# Altium PCB HAE_PCB.PcbDoc
Units mil, origin at the board's own origin, x right, y up, seen from the top; angles counter-clockwise.
Board outline 3391.1 x 1988.66 mil, 4 copper layers (Top Layer, Int1 (GND), Int2 (PWR), Bottom Layer), stack 43.712 mil thick; 61 components, 47 nets, 250 pads, 238 vias.
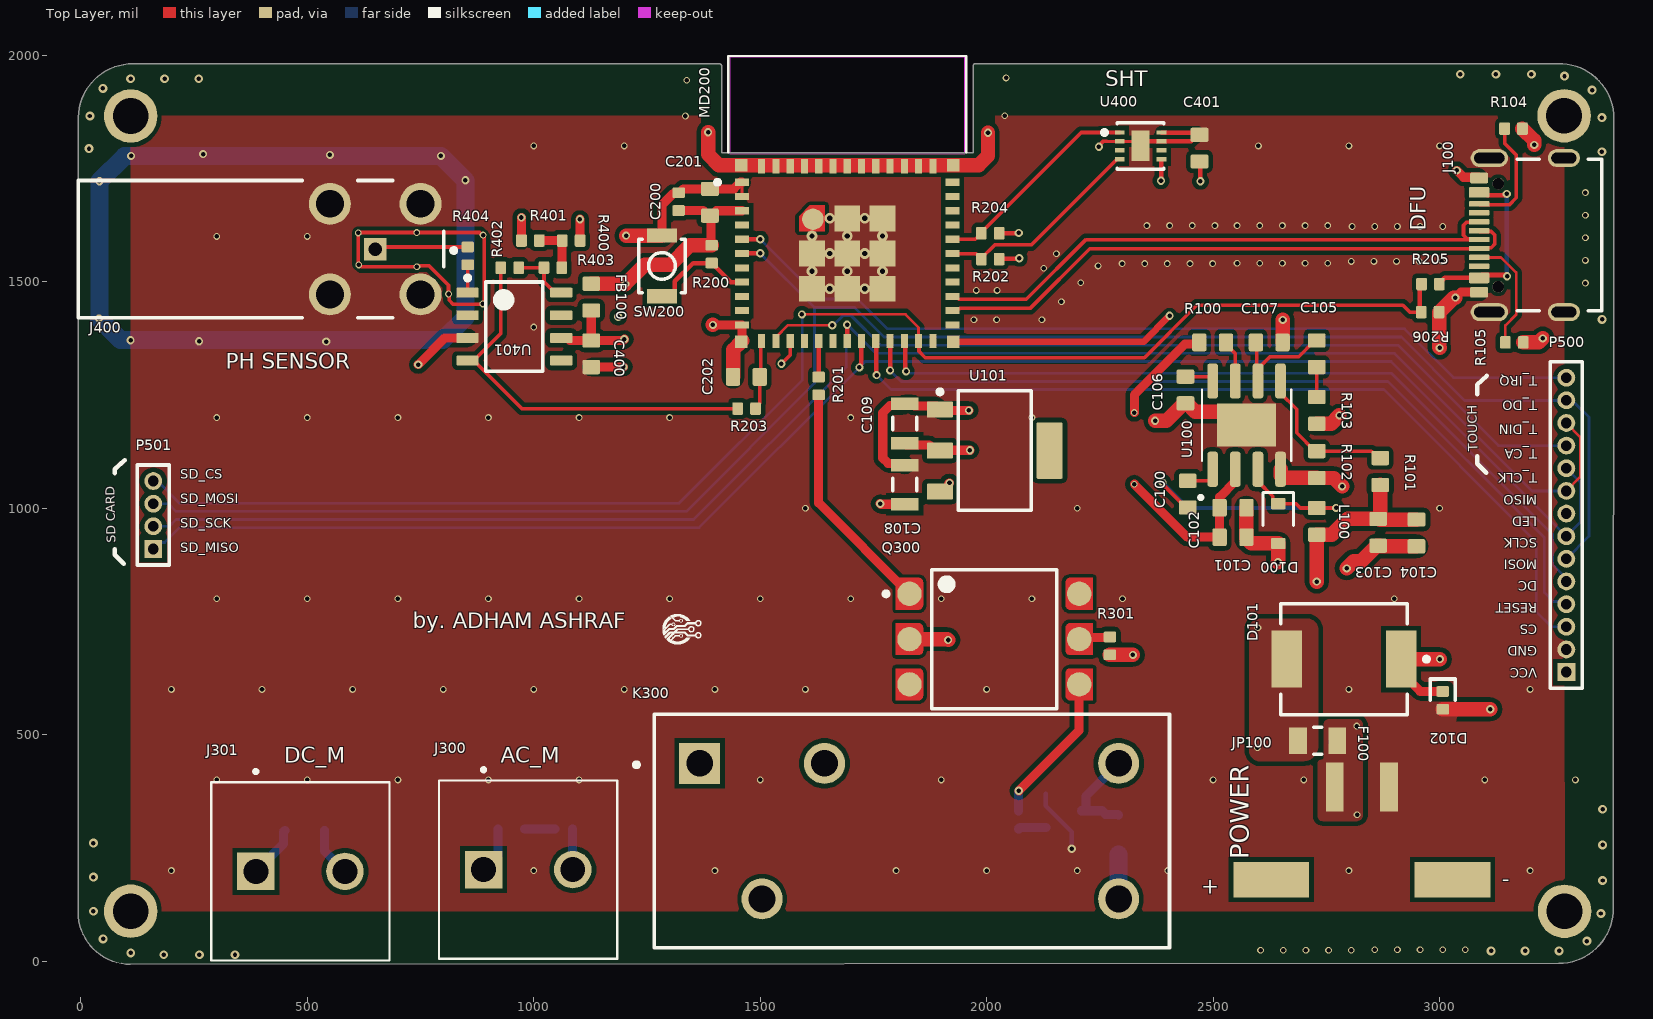
[diagram p0: Top Layer view]
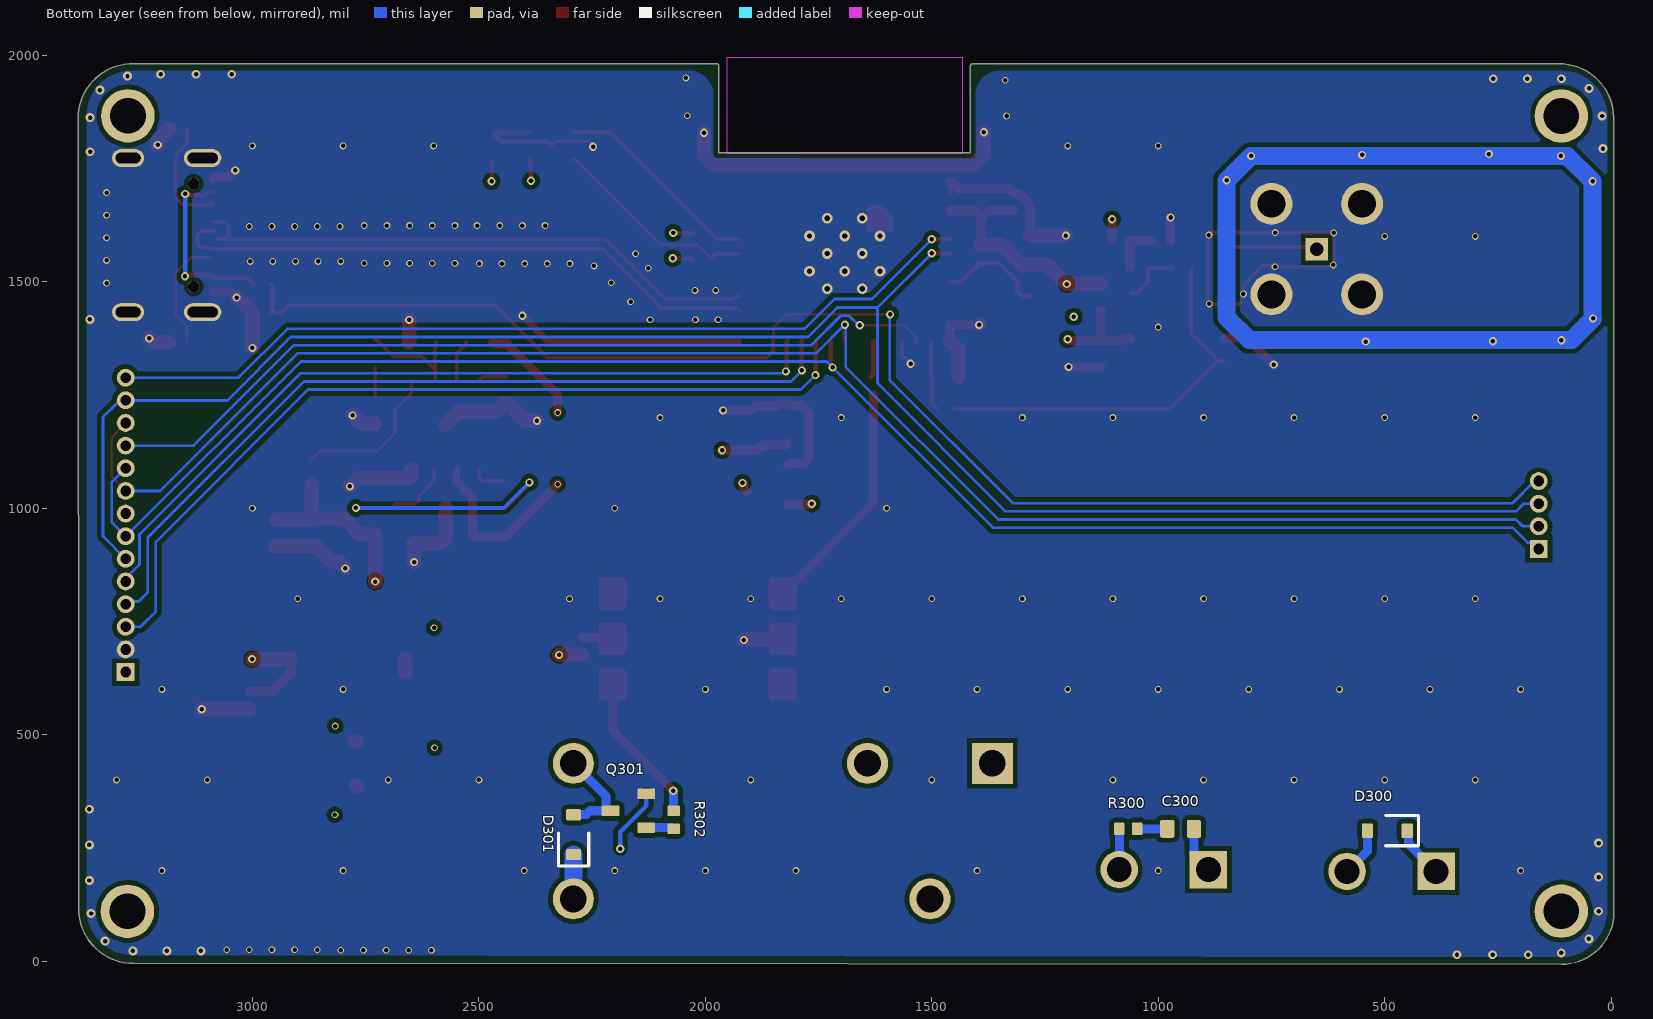
[diagram p1: Bottom Layer view, seen from below]
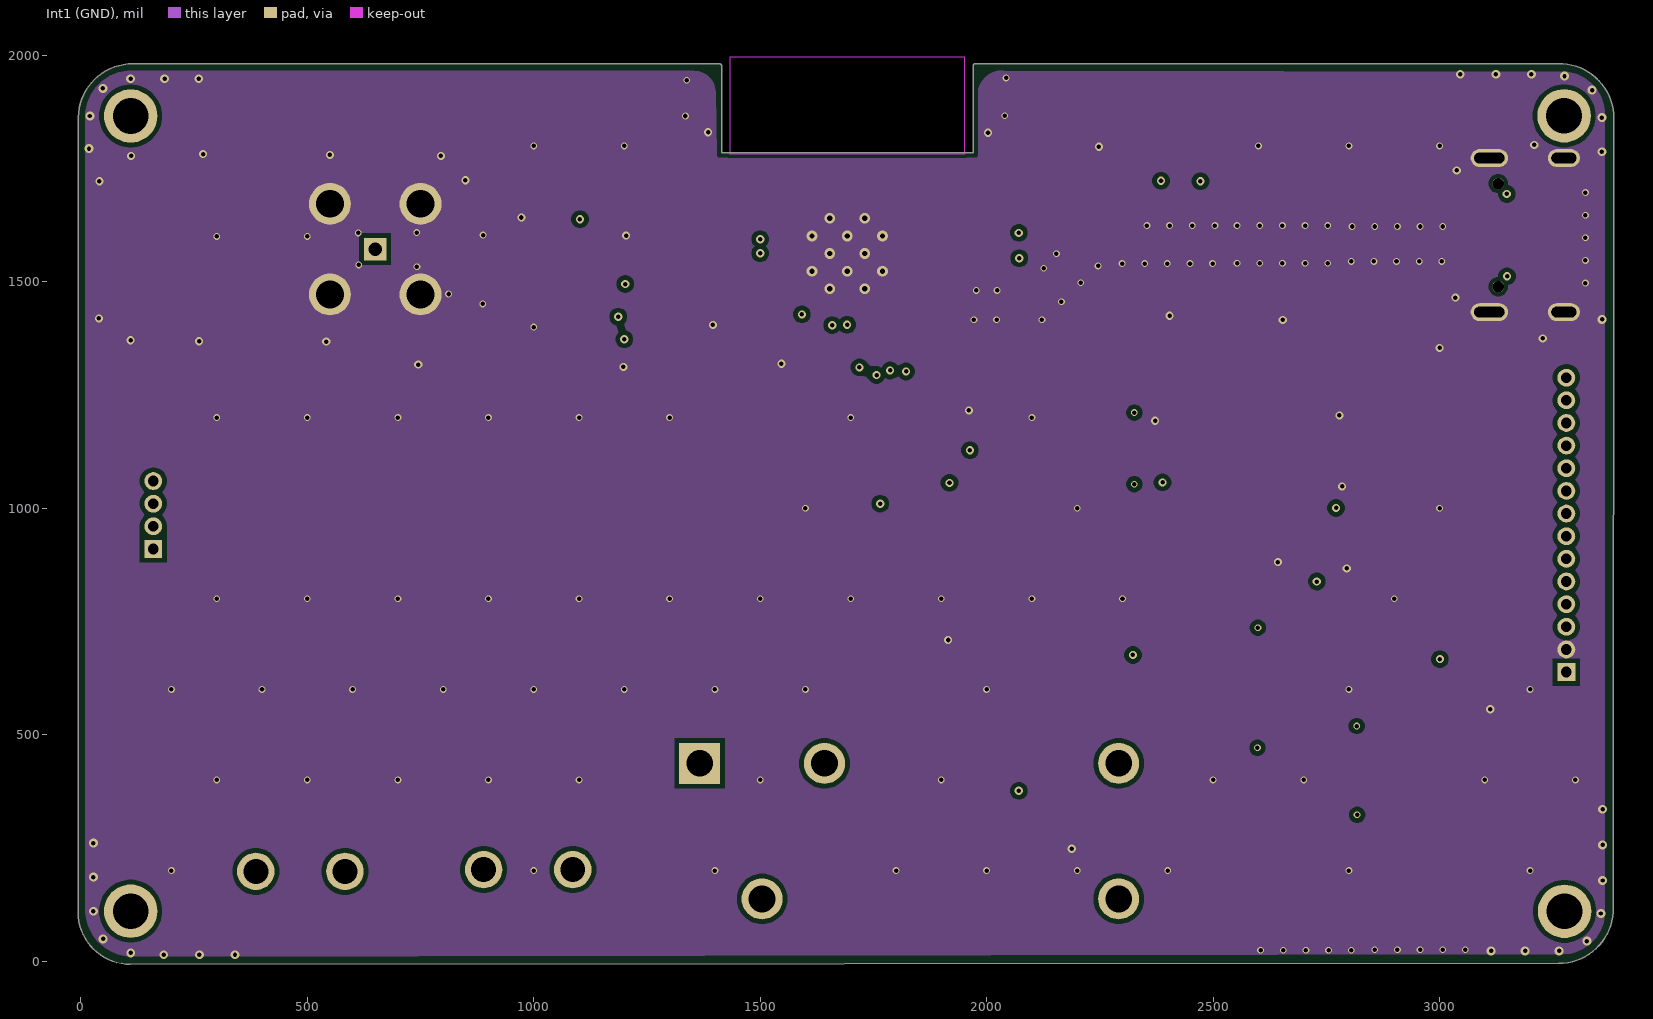
[diagram p2: Int1 (GND)]
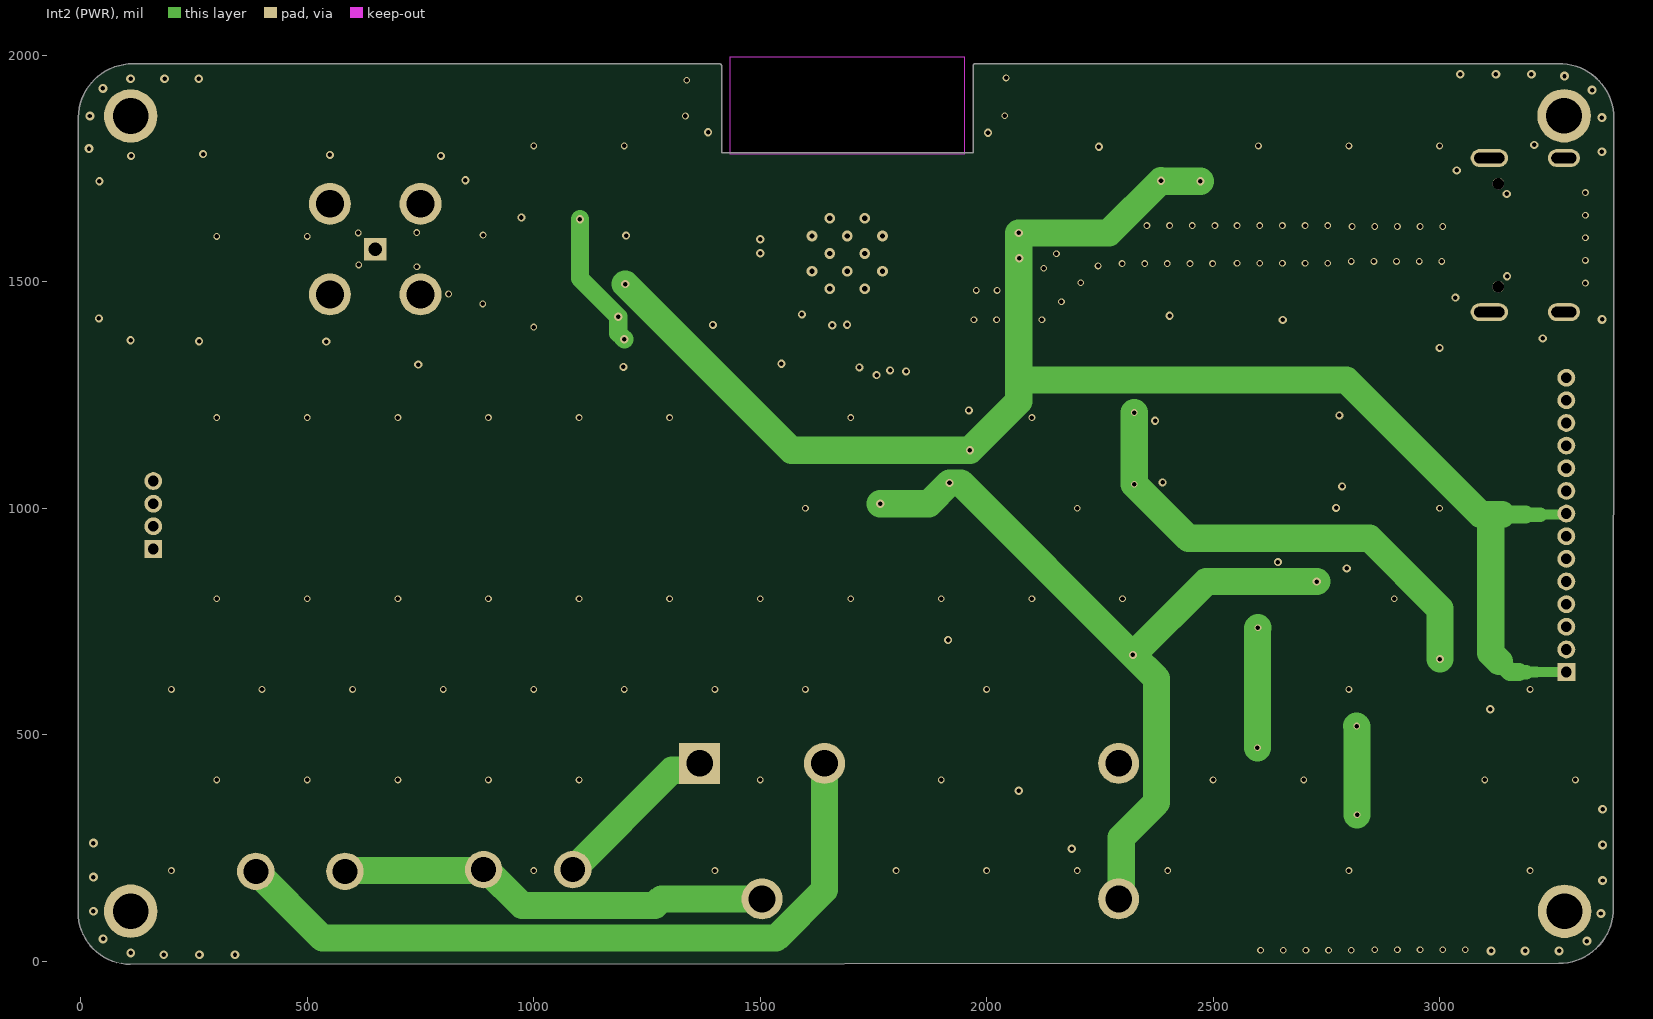
[diagram p3: Int2 (PWR)]
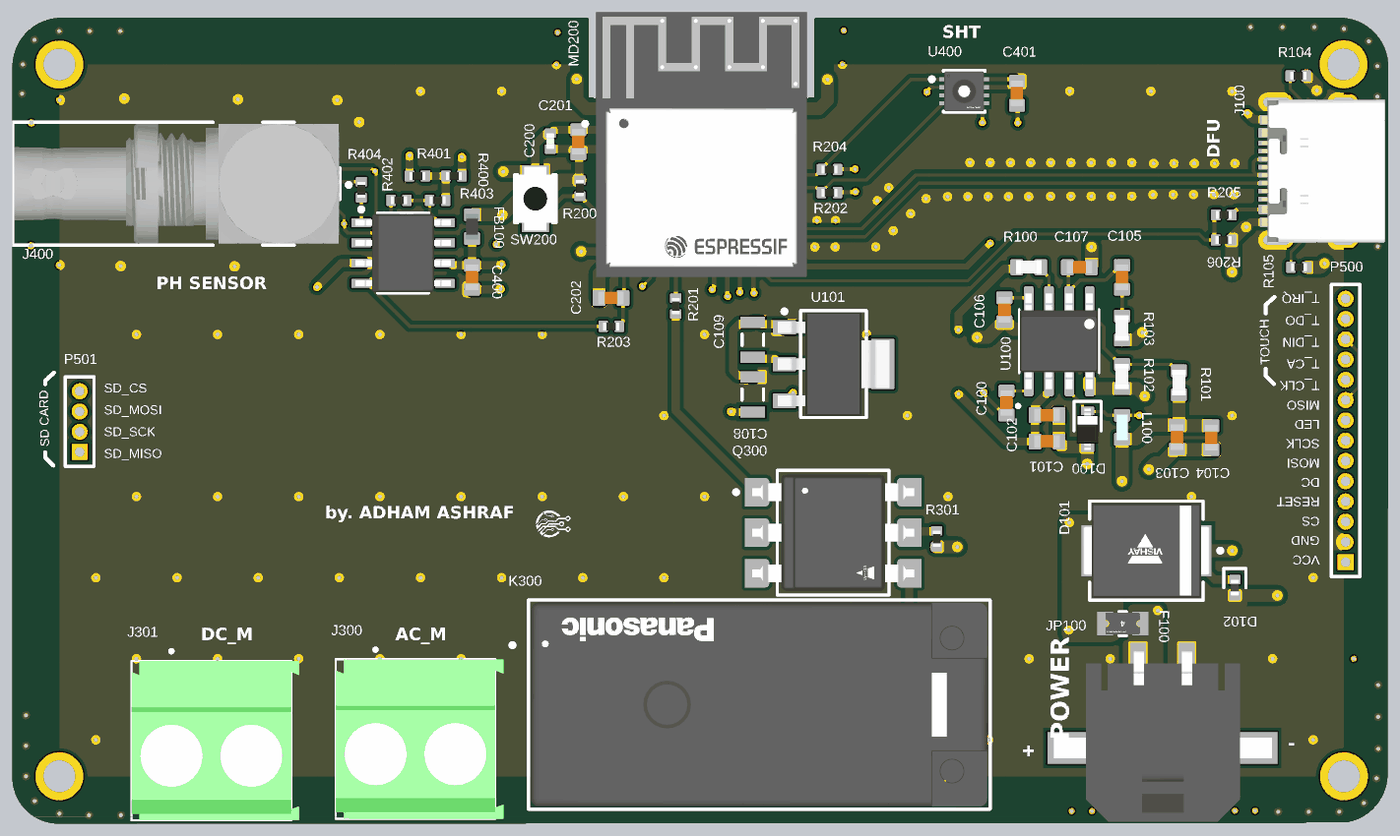
[diagram p4: 3D render of the assembled board from above, using the file's embedded part models]
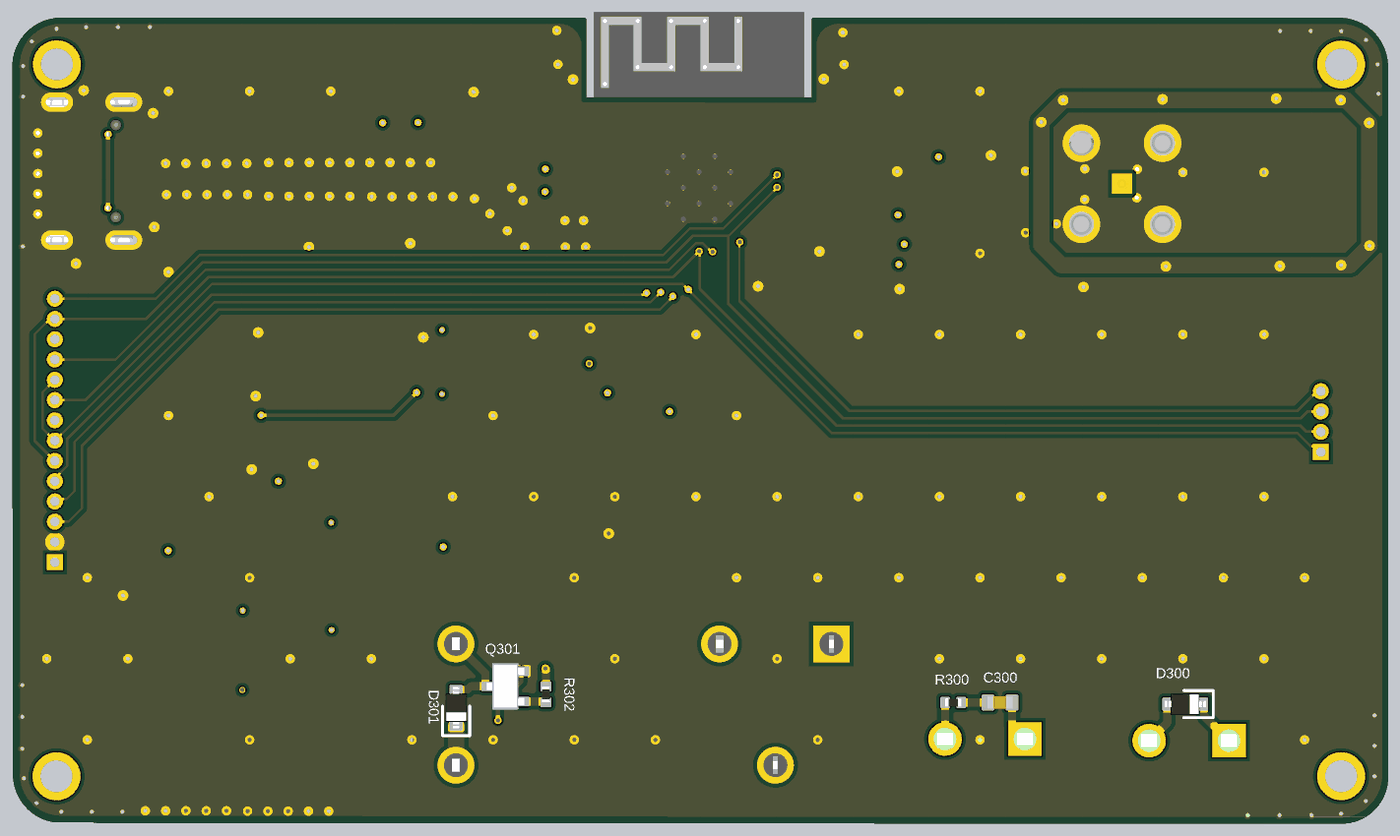
[diagram p5: 3D render of the assembled board from below, using the file's embedded part models]

## Layer stack, top to bottom
Top Solder: solder mask 1, SM-001, Dk 4
Top Layer: signal copper 1.378
Dielectric 1: prepreg 5.1, FR4, Dk 4.3
Int1 (GND): signal copper 1.378
Dielectric 3: core 28, FR4, Dk 4.8
Int2 (PWR): signal copper 1.378
Dielectric 5: prepreg 5.1, FR4, Dk 4.3
Bottom Layer: signal copper 1.378
Bottom Solder: solder mask 1, SM-001, Dk 4

## Board outline
-6.08,108 -6.09,1860.72 -5.66,1862.74 cw(c114.99,1860.72) 114.99,1981.38 1410,1981.23 cw(c1410,1976.22) 1415.01,1976.22 1415.01,1785.01 1969.99,1785.01 1969.99,1976.38 cw(c1975,1976.38) 1975,1981.39 3262.9,1981.39 3264.4,1981.62 cw(c3264.4,1861.1) 3271.95,1981.38 cw(c3264.4,1861) 3385.02,1861 3384.98,1860.37 3383.88,110 3383.37,107.79 cw(c3263,115.6) 3263.51,-5.01 3263,-5.04 108.96,-7.04 cw(c108.96,108)

## Design rules (kind name [scope] priority, off if disabled: settings)
Clearance [All] p1: gap=7.87 ignorepadtopadclearanceinfootprint=FALSE except(0.78: Arc-Via Track-Via SMDPad-Via THPad-Via; 5: Via-Via; 8: Arc-Fill Arc-Region Track-Fill Track-Region SMDPad-Fill SMDPad-Region THPad-Fill THPad-Region Via-Fill Via-Region Fill-Fill Fill-Region Poly-Region Region-Region; 10: Arc-Poly Track-Poly SMDPad-THPad SMDPad-Poly SMDPad-Text THPad-Poly Via-Poly Fill-Poly Poly-Poly; 12: Arc-Arc Arc-Track Track-Track)
DiffPairsRouting [All] p1: maxlimit=15 minlimit=8 mostfreqgap=10 toplayer_prefgap=14 toplayer_minwidth=6 toplayer_maxwidth=10 toplayer_prefwidth=8 midlayer1_minwidth=6 midlayer1_maxwidth=10 midlayer1_prefwidth=8 midlayer2_minwidth=6 midlayer2_maxwidth=10 midlayer2_prefwidth=8 bottomlayer_minwidth=6 bottomlayer_maxwidth=10 bottomlayer_prefwidth=8 maxuncoupledlength=500
MinimumSolderMaskSliver [All] p1: minsoldermaskwidth=7
PlaneConnect [All] p1: planeconnectstyle=Direct reliefexpansion=20 reliefentries=4 reliefconductorwidth=10 reliefairgap=10
PolygonConnect [All] p1: connectstyle=Direct reliefconductorwidth=10 reliefentries=4 polygonreliefangle="90 Angle" airgapwidth=10
RoutingVias [All] p1: holewidth=17 width=10 viastyle="Through Hole" minholewidth=10 minwidth=6 maxholewidth=28 maxwidth=50
SilkToSilkClearance [All] p1: silktosilkclearance=7
SilkToSolderMaskClearance [IsPad] p1: minsilkscreentomaskgap=7 clearancetoexposedcopper=TRUE
SolderMaskExpansion [All] p1: expansion=4 istentingtop=FALSE
SupplyNets "Schematic Supply Nets_9" [InNet('GND')] p1: voltage=0.000
SupplyNets "Schematic Supply Nets_8" [InNet('+3V3')] p2: voltage=0.000
SupplyNets "Schematic Supply Nets_4" [InNet('+5V')] p3: voltage=0.000
SupplyNets "Schematic Supply Nets_3" [InNet('+1.65V')] p4: voltage=0.000
SupplyNets "Schematic Supply Nets_2" [InNet('+3V3A')] p5: voltage=0.000
SupplyNets "Schematic Supply Nets_1" [InNet('MP_IN')] p6: voltage=0.000
SupplyNets "Schematic Supply Nets" [InNet('VBUS')] p7: voltage=0.000
Width [All] p1: maxlimit=60 minlimit=6 preferedwidth=32 toplayer_maxwidth=32 toplayer_prefwidth=8 midlayer1_minwidth=16 midlayer2_minwidth=22 bottomlayer_maxwidth=40 bottomlayer_prefwidth=8 minimp=50.000000 maximp=50.000000 favimp=50.000000
25 further rules are at their usual default settings.

## Classes and differential pairs
differential pair class USB: USB_D
component class HAE_Sensors: C400 C401 J400 R400 R401 R402 R403 R404 U400 U401
component class HAE_Power_Protection: C100 C101 C102 C103 C104 C105 C106 C107 C108 C109 D100 D101 D102 F100 FB100 J100 JP100 L100 R100 R101 R102 R103 R104 R105 U100 U101
component class HAE_MCU: C200 C201 C202 MD200 R200 R201 R202 R203 R204 R205 R206 SW200
component class HAE_HMI: P500 P501
component class HAE_Actuators: C300 D300 D301 J300 J301 K300 Q300 Q301 R300 R301 R302
differential pair USB_D: +USB_D_P -USB_D_N

## Components (designator, comment, footprint, x,y, rotation, side; value= is the part's Value field where it differs from the comment)
C100 "10nF" CAP_0603 2444,1031 r270 top
C101 "10uF" CAP_0603 2544,936 r180 top
C102 "10uF" CAP_0603 2544,1001 r180 top
C103 "22uF" CAP_0603 2864.5,946.81 r90 top
C104 "22uF" CAP_0603 2949,945.47 r90 top
C105 "3nF9" CAP_0603 2729,1341 r90 top
C106 "10uF" CAP_0603 2439,1261 r90 top
C107 "10uF" CAP_0603 2624,1366 r180 top
C108 "10uF" CAPC2014X60X15NL20 1819,1052 r270 top
C109 "10uF" CAPC2014X60X15NL20 1819,1187 r270 top
C200 "10uF" CAP_0402 1320,1677 r270 top
C201 "100nF" CAP_0603 1389,1675.47 r270 top
C202 "100nF" CAP_0603 1469.53,1290 r0 top
C300 "100nF" CAP_0603 950.66,292.03 r0 bottom
C400 "100nF" CAP_0603 1127,1341 r90 top
C401 "100nF" CAP_0603 2470,1795 r270 top
D100 "D_ZENER_SOD_323" SOD-323 2644,966 r90 top
D101 "SS34-E3/9AT" FP-SMC-MFG 2789,666.68 r180 top
D102 "D_TVS_0402" D_0402 3007,575.68 r90 top
D300 "D_SCHOTTKY_SOD_323" SOD-323 494.24,288.03 r180 bottom
D301 "D_SCHOTTKY_SOD_323" SOD-323 2291,279.1 r270 bottom
F100 "MF-PSMF020X-2" FP-MF-PSMF-MFG 2730.69,486.68 r180 top value=0.65-3.5Ω
FB100 "120R" FB_0603 1126.96,1466 r270 top
J100 "USB4105-GF-A-060" USB4105-GF-A-060 3181,1603 r90 top
J300 "282856-2" TE_282856-2 987.71,202.03 r0 top
J301 "282856-2" TE_282856-2 484.71,198.03 r0 top
J400 "034-1030-12G" FP-034-1030-12G-MFG 398.03,1572 r0 top
JP100 "MOLEX_MICROFIT_2_SMD_HORZ" MOLEX-MICROFIT-2-SMD-HORZ 2828.5,194.87 r0 top
K300 "JW1FSN-B-DC5V" FP-JW1FSN-B-DC5V-MFG 1834.87,286.97 r180 top
L100 "10uH" IND_0603 2729,971 r270 top
MD200 "ESP32-C3-MINI-1-N4" FP-ESP32-C3-MINI-1-N4-MFG 1692.24,1562.24 r0 top
P500 "MHDR1X14" MHDR1X14 3280,638.19 r90 top
P501 "MHDR1X4" MHDR1X4 160,910 r90 top
Q300 "4N25-X009T" FP-4N25-X009T-MFG 2017,711 r0 top
Q301 "2N7002NXAKR" SSM3J338R,LF-SOT23-F 2169.87,331.97 r90 bottom
R100 "100K" RES_0603 2499,1366 r180 top
R101 "26K1" RES_0603 2869,1081 r90 top
R102 "10K" RES_0603 2729,1096.47 r90 top
R103 "6K8" RES_0603 2729,1216 r90 top
R104 "5K1" RES_0402 3163.31,1838 r180 top
R105 "5K1" RES_0402 3165,1366 r180 top
R200 "10k" RES_0402 1393,1561 r90 top
R201 "220R" RES_0402 1629,1270 r270 top
R202 "4.7k" RES_0402 2008,1550 r0 top
R203 "100R" RES_0402 1470,1220 r180 top
R204 "4.7k" RES_0402 2008,1607 r0 top
R205 "100K" RES_0402 2980,1495 r180 top
R206 "100K" RES_0402 2979.31,1433 r0 top
R300 "100R" RES_0402 1066.13,292.03 r180 bottom
R301 "10k" RES_0402 2272,696 r270 top
R302 "100R" RES_0402 2069.87,311.97 r270 bottom
R400 "100K" RES_0402 1082.59,1591 r180 top
R401 "100K" RES_0402 992.59,1591 r180 top
R402 "100K" RES_0402 946.96,1531 r0 top
R403 "100K" RES_0402 1042.28,1531 r180 top
R404 "100R" RES_0402 854.28,1557 r90 top
SW200 "B3U-1000P" B3U_1000P 1283,1535 r270 top
U100 "MP2307DN-LF-Z" SOIC127P600X170-9N 2574,1183.44 r90 top
U101 "LM1117MP-3.3/NOPB" DCY0004A_L 2017.94,1127 r0 top
U400 "SHT30-DIS-B2.5KS" FP-SHT30-DIS-B2_5KS-MFG 2340,1800 r0 top
U401 "LMP7721MAX/NOPB" D0008A_L 957.28,1401 r0 top

## Footprints (in the part's own frame and the unit in brackets; to place one, negate y for a bottom-side part, rotate by r counter-clockwise, add the part's x,y. Pads: shape width x height; smd on the part's side, far side on the other; paste and mask are expansions set on the pad)
B3U_1000P [mm]
  rect 0.8x1.7 smd: 1(-1.7,0) 2(1.7,0)
  silkscreen extent -1.5,-1.3 1.5,1.3, body extent -2,-1.25 2,1.25, height 1.6
CAP_0402 [mm]
  rrect25% 0.6x0.7 smd: 1(-0.5,0) 2(0.5,0)
  body extent -0.5,-0.26 0.5,0.26, height 0.37
CAP_0603 [mm]
  rrect25% 0.8x1 smd: 1(-0.75,0) 2(0.75,0)
  body extent -0.8,-0.4 0.8,0.4, height 0.51
CAPC2014X60X15NL20 [mm] "Chip Capacitor, 2-Leads, Body 2.00x1.35mm, IPC Medium Density"
  rect 0.7x1.55 smd: 1(-1.1,0) 2(1.1,0)
  silkscreen extent -0.35,-0.67 0.35,0.67, body extent -1.1,-0.77 1.1,0.77, height 0.6
D0008A_L [mm] "SOIC, 8-Leads, Body 5x4mm, Pitch 1.27mm, IPC High Density"
  rrect18% 1.25x0.55 smd: 1(-2.625,1.905) 2(-2.625,0.635) 3(-2.625,-0.635) 4(-2.625,-1.905) 5(2.625,-1.905) 6(2.625,-0.635) 7(2.625,0.635) 8(2.625,1.905)
  silkscreen extent -2.75,-2.5 1.6,2.85, body extent -3,-2.45 3,2.45, height 1.63
D_0402 [mm]
  rrect25% 0.6x0.7 smd: A(-0.5,0) K(0.5,0)
  silkscreen extent 0,-0.7 1.2,0.7, body extent -0.5,-0.25 0.5,0.25, height 0.51
DCY0004A_L [mm] "SOT223, 4-Leads, Body 6.7x3.7mm, Pitch 2.3mm, IPC High Density"
  rrect11% 1.45x0.9 smd: 1(-3.075,2.3) 2(-3.075,0) 3(-3.075,-2.3)
  rrect7% 1.45x3.15 smd: 4(3.075,0)
  silkscreen extent -3.2,-3.35 2.05,3.42, body extent -3.5,-3.25 3.5,3.25, height 1.62
FB_0603 [mm]
  rrect25% 0.8x1 smd: 1(-0.75,0) 2(0.75,0)
  body extent -0.8,-0.4 0.8,0.4, height 0.81
FP-4N25-X009T-MFG [mm]
  round 1.368 smd paste+0 mask+0: 1(-4.76,2.54) 2(-4.76,0) 3(-4.76,-2.54) 4(4.76,-2.54) 5(4.76,0) 6(4.76,2.54)
  Top Layer region: -5.52,0.89 -4.25,0.89 -4.154,0.871 -4.073,0.817 -4.019,0.736 -4,0.64 -4,0.64 -4,-0.64 -4.019,-0.736 -4.073,-0.817 -4.154,-0.871 -4.25,-0.89 -4.25,-0.89 -5.52,-0.89
  Top Layer region: -5.52,3.43 -4.25,3.43 -4.154,3.411 -4.073,3.357 -4.019,3.276 -4,3.18 -4,3.18 -4,1.9 -4.033,1.775 -4.125,1.683 -4.25,1.65 -4.25,1.65 -5.52,1.65
  Top Layer region: -5.52,-1.65 -4.25,-1.65 -4.154,-1.669 -4.073,-1.723 -4.019,-1.804 -4,-1.9 -4,-1.9 -4,-3.18 -4.019,-3.276 -4.073,-3.357 -4.154,-3.411 -4.25,-3.43 -4.25,-3.43 -5.52,-3.43
  Top Layer region: 5.52,-3.43 4.25,-3.43 4.154,-3.411 4.073,-3.357 4.019,-3.276 4,-3.18 4,-3.18 4,-1.9 4.019,-1.804 4.073,-1.723 4.154,-1.669 4.25,-1.65 4.25,-1.65 5.52,-1.65
  Top Layer region: 5.52,-0.89 4.25,-0.89 4.154,-0.871 4.073,-0.817 4.019,-0.736 4,-0.64 4,-0.64 4,0.64 4.019,0.736 4.073,0.817 4.154,0.871 4.25,0.89 4.25,0.89 5.52,0.89
  Top Layer region: 5.52,1.65 4.25,1.65 4.154,1.669 4.073,1.723 4.019,1.804 4,1.9 4,1.9 4,3.18 4.019,3.276 4.073,3.357 4.154,3.411 4.25,3.43 4.25,3.43 5.52,3.43
  silkscreen extent -6.2,-3.9 3.5,3.9, body extent -5.62,-4 5.62,4, height 0.25
FP-034-1030-12G-MFG [mm]
  rect 1.26x1.26 hole 0.76 paste-2539.97 mask+0: 1(6.4,0)